# Altium PCB power-v3.4.PcbDoc (part 3 of 3) (continued)
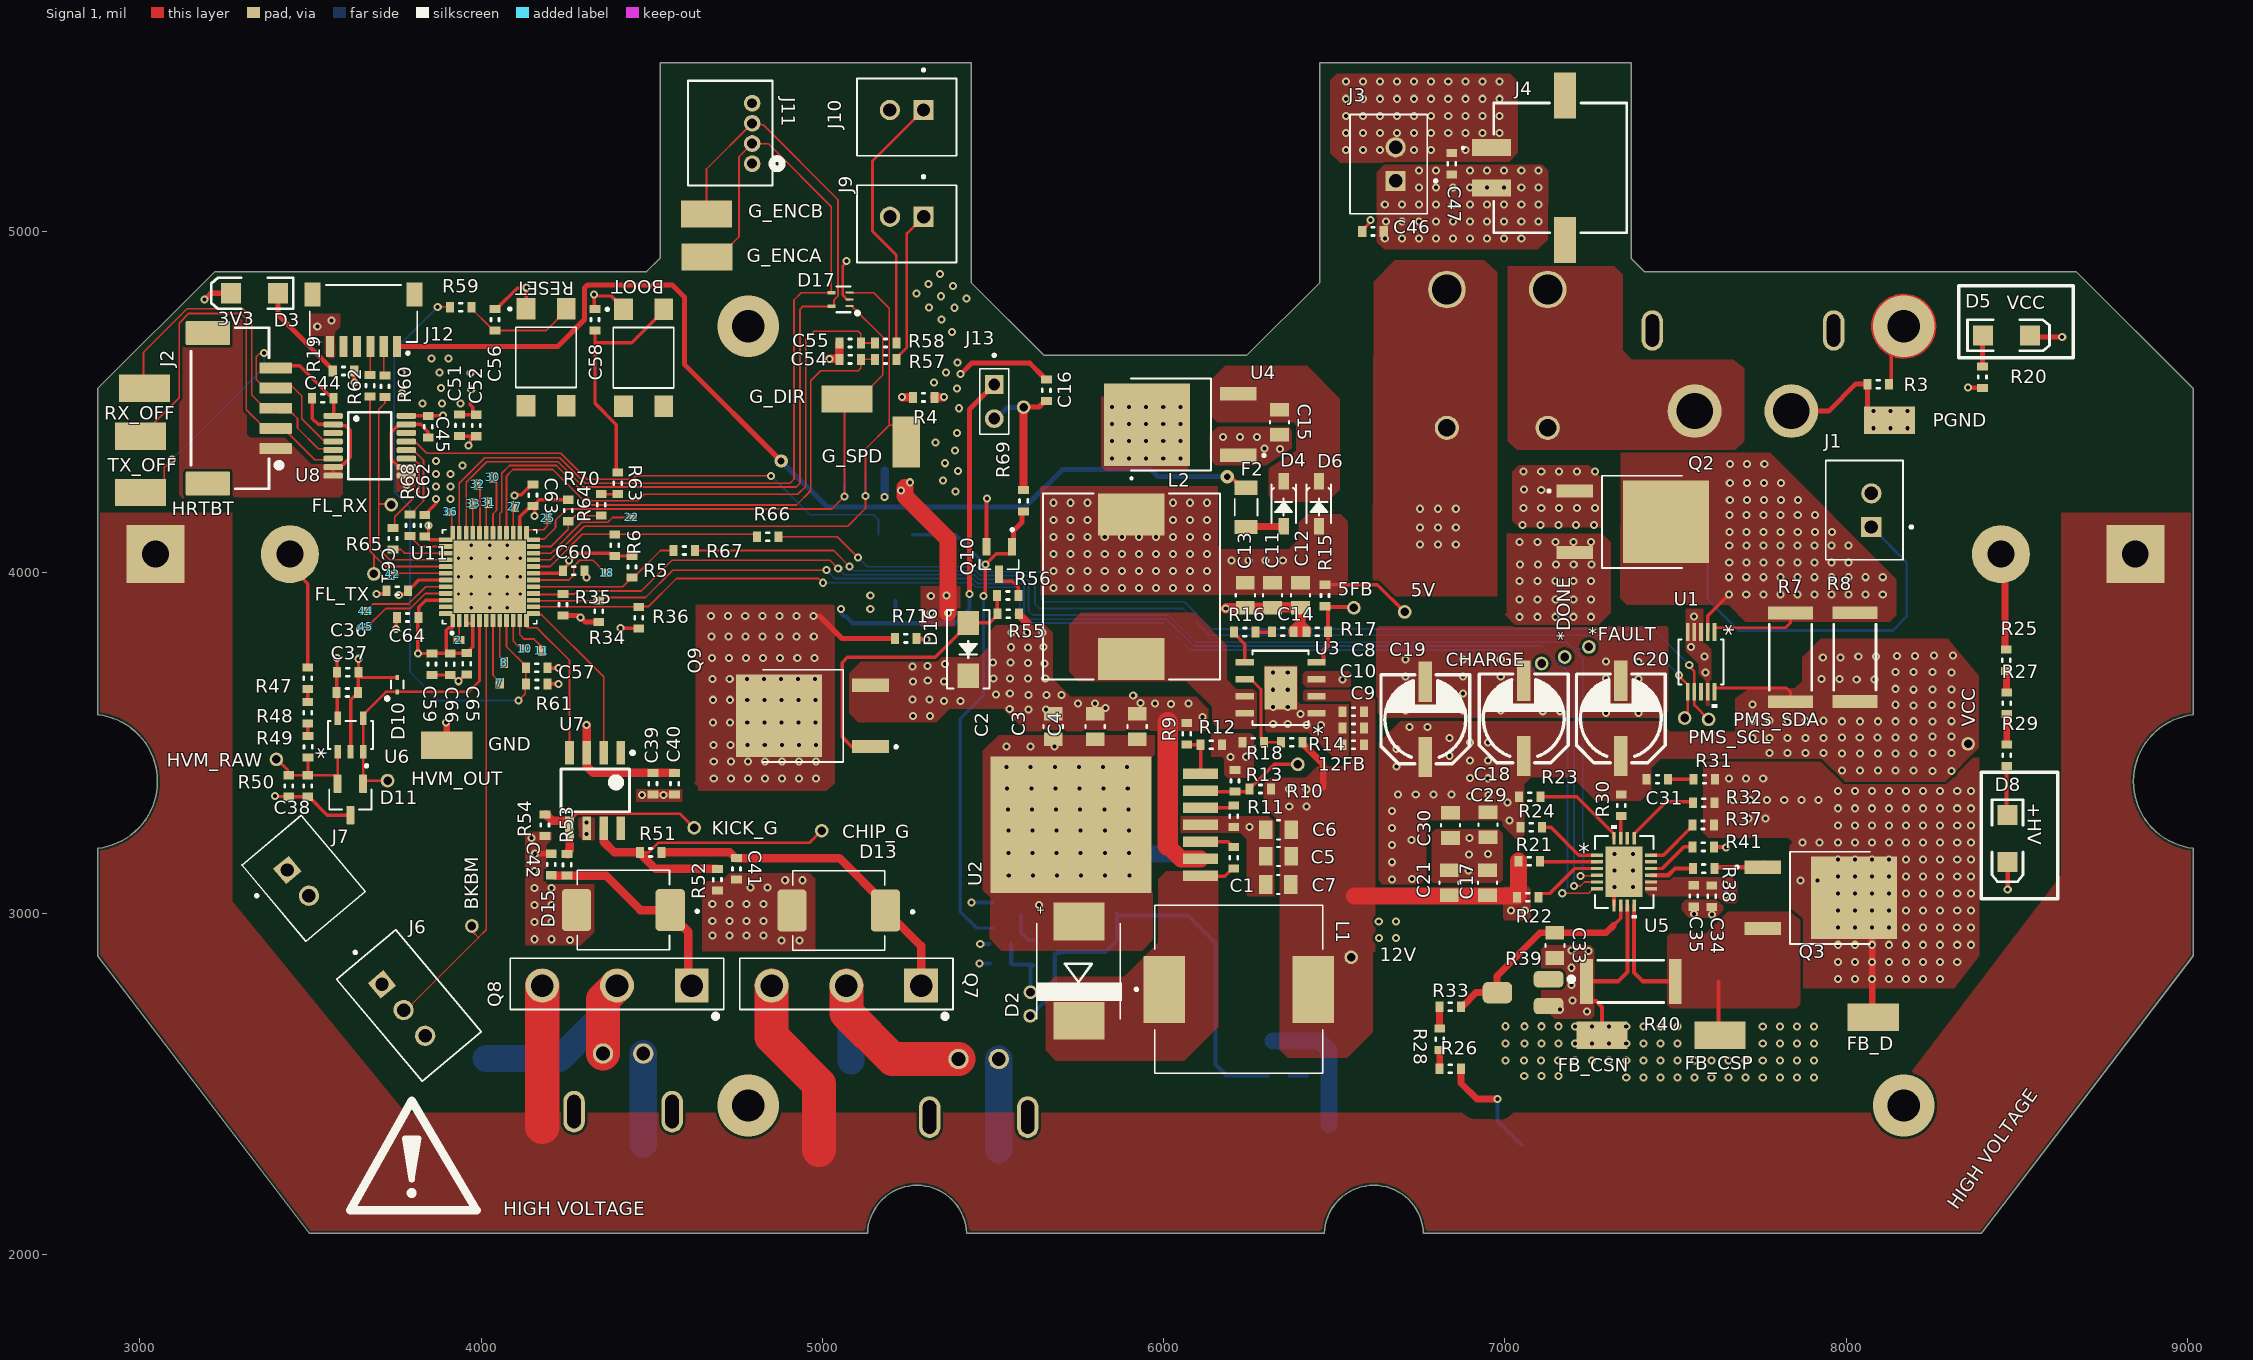
[diagram p0: Signal 1 view]
## Polygon pours and split planes (outlines as drawn) (continued)
VCC_RPP on Signal 1 "VCC_RPP_L01_P226" (solid, pour order 226): 8147.51,3874.42 8128.69,3855.61 7704.57,3855.61 7655.57,3904.61 7356.67,3904.61 7337.63,3923.65 7339.37,4349.05 7340.78,4350.46 7777.44,4350.46 8147.51,3980.39
GND_JETSON on Signal 1 "GND_JETSON_L01_P212" (solid, pour order 212): 3322.97,4394.41 3313.25,4404.13 3313.25,4729.35 3281.8,4760.8 3115.34,4760.8 3115.34,4226.9 3126.08,4216.17 3130.68,4220.77 3585.57,4220.77 3596.31,4231.51 3595.01,4232.81 3595.01,4316.14 3502.44,4316.14 3424.17,4394.41
GND on Signal 1 "GND_L01_P215" (solid, pour order 215): 3497.38,4693.39 3541.51,4693.39 3541.51,4627.65 3572.6,4627.65 3573.15,4628.2 3571.92,4704.19 3587.62,4719.89 3587.62,4757.92 3497.38,4757.92
PGND on Signal 1 "PGND_L01_P-001" (solid, remove dead copper, pour order 193): 8630.35,3112.57 8098.8,2415.92 3777.49,2415.92 3270.35,3036.67 3270.35,4174.99 2880.35,4174.99 2880.35,2062.11 9020.35,2062.11 9020.35,4174.99 8630.35,4174.99
NetF1_1 on Signal 1 "NETF1_1_L01_P273" (solid, pour order 273): 6939.72,4914.53 6678.08,4914.53 6615.5,4851.95 6613.07,3930.09 6977.59,3930.09 6977.59,4373.35 6977.59,4879.57
+VBAT on Signal 1 "+VBAT_L01_P272" (solid, pour order 272): 7668.18,4624.67 7666.68,4623.17 7372.3,4623.17 7343.77,4651.7 7345.27,4653.2 7345.27,4872.48 7320.45,4897.3 7008.39,4897.3 7008.39,4384.81 7034.37,4358.83 7675.69,4358.83 7701.23,4384.36 7701.23,4597.63
12V on Signal 1 "12V_L01_P264" (solid, pour order 264): 5300.51,3959.19 5300.82,3958.88 5404.11,3958.88 5404.11,3842.14 5287.91,3842.14 5287.91,3959.19
PGND on Signal 1 "PGND_L01_P258" (solid, pour order 258): 6623.51,3834.36 6623.51,3593.95 6643.54,3573.92 7459.19,3573.92 7478.27,3593 7478.27,3838.11 7473.56,3842.82 7472.45,3841.71 6631.32,3841.71
VCC on Signal 1 "VCC_L01_P228" (solid, pour order 228): 5319.77,3751.92 5319.77,3560.63 5333.68,3560.63 5374.07,3601.02 5530.11,3601.02 5597.11,3534.01 6011.7,3536.15 6130.88,3536.15 6130.88,3600.63 6130.06,3600.63 6095.46,3635.24 5727.63,3635.24 5674.64,3688.22 5674.64,3823.6 5653.76,3844.48 5508.44,3844.48 5485.9,3821.94 5485.9,3779.91 5457.9,3751.92
12V on Signal 1 "12V_L01_P236" (solid, pour order 236): 6620.13,2888.27 6620.13,3627.25 6591.35,3656.03 6550.26,3656.03 6550.26,3642.21 6550.26,3451.43 6530.6,3431.77 6450.93,3431.77 6416.79,3397.63 6310.73,3397.63 6293.66,3380.55 6293.66,3316.8 6340.81,3269.65 6340.81,2888.27
5V on Signal 1 "5V_L01_P197" (solid, pour order 197): 6366.93,4067.52 6396.05,4096.66 6396.05,4145.37 6421.75,4171.07 6519.47,4171.07 6540.45,4150.1 6540.45,4049.45 6540.45,3943.8 6531.33,3934.68 5640.21,3934.68 5638.07,4252.56 6159.55,4252.56 6159.55,4082.81 6156.77,4080.03 6169.28,4067.52
PGND on Signal 1 "PGND_L01_P268" (solid, pour order 268): 4782.98,3118.25 4780.89,3118.25 4727.28,3118.25 4703.41,3094.38 4662.25,3094.38 4648.43,3080.56 4648.43,2889.32 4978.82,2889.32 4978.82,3105.68 4976.31,3105.68 4963.75,3118.25
PGND on Signal 1 "PGND_L01_P267" (solid, pour order 267): 4207.09,3240.23 4137.63,3240.23 4129.62,3232.21 4130.06,3231.77 4130.06,2907.13 4292.37,2907.13 4331.28,2946.05 4331.28,3086.24 4191.08,3086.24 4191.08,3149.68 4191.08,3200.43 4206.91,3216.25
12V on Signal 1 "12V_L01_P266" (solid, pour order 266): 4454.63,3364.67 4474.97,3364.67 4590.22,3364.67 4590.22,3330.27 4588.07,3328.12 4454.63,3328.12
PGND on Signal 1 "PGND_L01_P257" (solid, pour order 257): 6796.96,3247.9 6981.57,3247.9 6994.13,3235.35 6994.13,3098.76 6985.27,3089.9 6789.83,3089.9 6780.22,3099.51 6786.48,3105.78 6786.48,3237.43
LT_CSP on Signal 1 "LT_CSP_L01_P249" (solid, pour order 249): 7835.48,3005.81 7653.57,3005.81 7588.75,2940.99 7484.2,2940.99 7476.04,2932.84 7476.04,2733.33 7486.94,2722.43 7853.49,2722.43 7866.15,2735.1 7866.15,2981.57
GND on Signal 1 "GND_L01_P211" (solid, pour order 211): 3749.74,4320.51 3753,4320.51 3811.82,4320.51 3811.82,4236.94 3811.14,4236.25 3749.74,4236.25
PGND on Signal 1 "PGND_L01_P250" (solid, pour order 250): 7253.19,2907.52 7253.19,2904.42 7262.6,2895.01 7262.6,2701.08 7253.19,2691.67 7145.89,2691.67 7106.81,2730.74 7106.81,2895.12 7118.65,2906.96
PGND on Signal 1 "PGND_L01_P248" (solid, pour order 248): 7530.11,3041.56 7530.51,3041.16 7623.06,3041.16 7639.62,3024.61 7639.62,3009.82 7617.88,2988.07 7539.54,2988.07 7518.42,3009.2 7518.42,3029.18
12V on Signal 1 "12V_L01_P247" (solid, pour order 247): 7073.04,3074.72 7075.86,3071.9 7075.86,2987.76 7068.78,2980.68 7000.25,2980.68 6994.98,2985.95 6996.05,2987.02 6996.05,3074.94 6999.95,3078.85 7001.69,3078.85 7070,3078.85
12V on Signal 1 "12V_L01_P246" (solid, pour order 246): 7647.4,3031.73 7648.09,3031.04 7676.94,3031.04 7681.93,3036.03 7681.93,3090.36 7665.43,3106.86 7490.03,3106.86 7483.94,3100.77 7413.63,3100.77 7409.32,3096.45 7409.32,3065.74 7424.06,3051 7621.42,3051 7641.09,3031.33
PGND on Signal 1 "PGND_L01_P243" (solid, pour order 243): 6158.18,4427.4 6135,4404.22 6135,4332.41 6153.29,4314.12 6301.55,4314.12 6376.11,4363.28 6376.11,4373.7 6376.11,4414.62 6367.74,4427.4
5V on Signal 1 "5V_L01_P199" (solid, pour order 199): 6624.93,4967.29 6646.96,4946.4 7097.03,4946.4 7125.9,4975.26 7126.76,5176.72 7109.64,5193.84 6647.05,5193.84 6646.56,5194.08 6624.93,5172.44
GND on Signal 1 "GND_L01_P203" (solid, pour order 203): 6506.88,5461.09 6488.82,5442.28 6488.82,5228.37 6517.26,5199.93 7009.48,5199.93 7038.65,5229.1 7038.65,5438.67 7016.23,5461.09
3V3 on Signal 1 "3V3_L01_P214" (solid, pour order 214): 6071.25,4514.27 5817.74,4514.27 5817.74,4309.8 5829.3,4298.24 6071.88,4298.24
NetL2_2 on Signal 1 "NETL2_2_L01_P240" (solid, pour order 240): 6260.73,3658.75 6272.46,3647.02 6273.33,3647.02 6273.33,3546.25 6268.11,3541.04 6160.39,3541.04 6142.15,3559.28 6142.15,3606.63 6067.2,3681.57 5750.58,3681.57 5723.48,3708.67 5723.48,3847.14 5757.81,3881.47 6090.82,3881.47 6185.29,3787 6185.29,3686.21 6213.43,3658.06 6259.93,3658.06
NetC15_1 on Signal 1 "NETC15_1_L01_P242" (solid, pour order 242): 6308.96,4305.44 6308.69,4305.17 6308.69,4224.79 6326.97,4206.5 6480.44,4206.5 6516.69,4242.75 6516.69,4509.43 6419.38,4606.75 6417.5,4604.88 6180.41,4604.88 6136.78,4561.26 6136.78,4460.78 6157.92,4439.64 6381.56,4439.64 6389.43,4431.77 6389.43,4356.44 6388.96,4355.98
PGND on Signal 1 "PGND_L01_P241" (solid, pour order 241): 6418.56,3710.22 6417.11,3710.22 6407.69,3700.8 6408.41,3700.07 6408.41,3674.34 6419.65,3663.11 6543.24,3663.11 6548.31,3668.18 6548.31,3705.15 6543.6,3709.86
PGND on Signal 1 "PGND_L01_P239" (solid, pour order 239): 6488.07,3613.79 6541.51,3613.79 6544.88,3610.42 6544.88,3464.17 6538.16,3457.45 6497.75,3457.45 6497.75,3457.58 6488.07,3467.26
PGND on Signal 1 "PGND_L01_P238" (solid, pour order 238): 6493.99,3613.79 6493.99,3461.34 6424.3,3531.03 6304.03,3531.03 6295.69,3539.36 6295.69,3726.58 6391.03,3726.58 6393.06,3724.55 6393.06,3621.09 6400.36,3613.79
12V on Signal 1 "12V_L01_P237" (solid, pour order 237): 6561.38,3656.03 6415.21,3656.03 6409.39,3650.21 6409.39,3625.36 6412.79,3621.96 6413.31,3622.49 6549.82,3622.49 6561.24,3622.49
12V on Signal 1 "12V_L01_P233" (solid, pour order 233): 6340.81,2888.27 6340.81,2601.41 6364.55,2577.68 6538.17,2577.68 6612.98,2652.49 6612.98,2888.27
NetC1_1 on Signal 1 "NETC1_1_L01_P235" (solid, pour order 235): 6160.06,3129.03 6155.27,3124.24 6007.74,3124.24 5983.78,3100.28 5983.78,2914.1 5884.2,2814.51 5681.06,2814.51 5654.93,2788.38 5654.93,2599.2 5684.8,2569.33 6060.66,2569.33 6160.23,2668.9 6160.23,2933.99
PGND on Signal 1 "PGND_L01_P234" (solid, pour order 234): 6323.87,3051.4 6323.87,3270.04 6307.51,3286.39 6307,3285.88 6042.2,3285.88 6042.2,3240.03 6039.11,3236.94 6225.09,3236.94 6243.51,3218.52 6243.51,3050.17
PGND on Signal 1 "PGND_L01_P232" (solid, pour order 232): 6170.18,3460.03 6178.06,3452.16 6178.28,3452.16 6178.28,3407.12 6187,3398.39 6252.27,3398.39 6263.79,3409.91 6263.79,3521.08 6256.04,3528.83 6139.57,3528.83 6139.57,3460.03
PGND on Signal 1 "PGND_L01_P230" (solid, pour order 230): 5494.34,3060.5 5968.08,3060.5 5968.89,3059.69 5968.89,2923.52 5937.25,2891.87 5524.68,2891.87 5489.99,2926.55
PGND on Signal 1 "PGND_L01_P231" (solid, pour order 231): 5987.33,3479.74 5987.33,3523.09 5516.89,3523.09 5469.02,3475.22 5470.43,3473.81 5470.43,3069.12 5494.42,3045.13 5962.76,3045.13 5962.76,3455.17
VCC on Signal 1 "VCC_L01_P229" (solid, pour order 229): 5340.95,3746.91 5121.6,3746.91 5079.42,3704.74 5079.42,3587.25 5106.04,3560.63 5115.22,3560.63 5334.14,3560.63 5344.15,3570.63
NetD1_2 on Signal 1 "NETD1_2_L01_P221" (solid, pour order 221): 7040.44,4313.69 7022.17,4295.42 7022.17,4151.9 7043.36,4130.71 7044.22,4131.56 7281.63,4131.56 7281.63,4278.46 7246.39,4313.69
NetD1_1 on Signal 1 "NETD1_1_L01_P225" (solid, pour order 225): 7014.96,4116.81 7018.84,4112.93 7286.09,4112.93 7310.95,4088.07 7310.95,3882.2 7274.43,3845.69 7272.88,3847.24 7029.72,3847.24 7000.2,3876.76 7005.64,3882.2 7005.64,4112.93
VCC_MOTOR on Signal 1 "VCC_MOTOR_L01_P204" (solid, pour order 204): 5035.95,3820.1 5035.95,3382.68 5013.27,3360 4635.79,3360 4635.79,3371.34 4624.45,3382.68 4629.31,3387.54 4629.31,3905.33 5035.58,3905.33 5036.37,3904.54
3V3 on Power "3V3_L03_P213" (solid, pour order 213): 6100.39,4697.09 6100.39,4257.78 6093.88,4251.28 5292.67,4251.28 5231.6,4190.2 5231.6,3531.43 5015.55,3315.38 4139.95,3315.38 4107.77,3283.21 4107.77,2498.93 3812.95,2498.93 3354.07,3053.85 3354.07,3603.21 3631.35,3880.49 3631.35,4175.04 3631.31,4174.99 2884.35,4174.99 2884.35,4535.54 3222.38,4873.56 3223.45,4873.56 3223.45,5577.21 3386.62,5740.38 6023.47,5740.38
VCC on Power "VCC_L03_P223" (solid, pour order 223): 6123.99,4651.9 6127.01,4648.87 6127.01,4236.24 6113.47,4222.69 6098.86,4237.3 5302.28,4237.3 5249.49,4184.51 5255.58,4178.43 5255.58,3528.07 5026.01,3298.5 4150.54,3298.5 4128.17,3276.14 4126.14,3276.14 4126.14,2498.32 4127.27,2497.19 4128.45,2498.37 8112.23,2498.37 8185.16,2590.72 8598.31,3114.26 8595.96,3116.6 8595.96,3610.38 8267.02,3939.32 8267.02,4203.8 9009.55,4203.8 9009.66,4203.69 9126.26,4320.29 9126.26,4916.44 8185.16,5857.54 6332.54,5857.54
VCC_RPP on Power "VCC_RPP_L03_P220" (solid, pour order 220): 8147.51,3874.42 8128.69,3855.61 7704.57,3855.61 7655.57,3904.61 7356.67,3904.61 7337.63,3923.65 7339.37,4349.05 7340.78,4350.46 7785.29,4350.46 8147.51,3988.24
+HV on Power "+HV_L03_P216" (solid, pour order 216): 2876.33,4151.38 3516.88,4151.38 3567.14,4101.11 3567.14,3923.09 3269.74,3625.68 3270.35,3625.07 3270.35,3039.03 3777.43,2415.92 8109.88,2415.92 8630.35,3098.05 8630.35,3649.1 8334.64,3944.81 8334.64,4152.11 9014.63,4152.11 9014.63,3586.18 9014.63,2680.82 8396.63,2062.82 3497.38,2062.82 2876.33,2683.88
NetF1_1 on Power "NETF1_1_L03_P219" (solid, pour order 219): 6939.72,4914.53 6819.76,4914.53 6615.5,4710.27 6615.5,3916.02 6977.59,3916.02 6977.59,4879.57
+VBAT on Power "+VBAT_L03_P218" (solid, pour order 218): 7668.18,4624.67 7666.68,4623.17 7372.3,4623.17 7343.77,4651.7 7345.27,4653.2 7345.27,4872.48 7285.19,4932.56 7029.86,4932.56 7008.39,4911.09 7008.39,4384.81 7034.37,4358.83 7675.69,4358.83 7701.23,4384.36 7701.23,4597.63
12V on Power "12V_L03_P224" (solid, pour order 224): 5300.51,3959.19 5300.82,3958.88 5404.11,3958.88 5404.11,3842.14 5287.91,3842.14 5287.91,3959.19
5V on Power "5V_L03_P198" (solid, pour order 198): 6624.93,4982.79 6645.32,4962.39 7066.03,4962.39 7112.13,5008.49 7112.81,5164.95 7083.91,5193.84 6646.33,5193.84 6624.93,5172.44
5V on Power "5V_L03_P196" (solid, pour order 196): 5638.25,4226 5641.03,4223.22 6159.55,4223.22 6159.55,4082.81 6156.77,4080.03 6169.28,4067.52 6522.37,4067.52 6540.45,4049.45 6540.45,3943.8 6531.33,3934.68 5640.21,3934.68
5V on Power "5V_L03_P208" (solid, pour order 208): 3976.35,4643.61 3980.62,4643.61 3981.81,4477.02 3759.68,4477.02 3756.14,4480.56 3756.14,4643.61
PGND on Signal 2 "PGND_L04_P255" (solid, pour order 255): 7945.62,2498.58 7934.72,2509.48 6950.94,2509.48 6950.94,3314.46 7949.89,3314.46 7950.39,3314.96
GND on Signal 2 "GND_L04_P263" (solid, pour order 263): 5151.01,3867.74 5151.49,3868.22 5183,3868.22 5183,3951.29 5178.22,3956.06 5037.86,3956.06 5032.61,3950.81 5032.61,3919.78 5039.77,3912.62 5086.56,3912.62 5090.85,3908.32 5090.85,3867.74
VCC_RPP on Signal 2 "VCC_RPP_L04_P271" (solid, pour order 271): 8147.51,3874.42 8128.69,3855.61 7704.57,3855.61 7655.57,3904.61 7615.41,3904.61 7617.24,4350.46 7777.44,4350.46 8147.51,3980.39
+VBAT on Signal 2 "+VBAT_L04_P244" (solid, pour order 244): 7668.18,4624.67 7666.68,4623.17 7372.3,4623.17 7343.77,4651.7 7345.27,4653.2 7345.27,4872.48 7285.19,4932.56 7029.86,4932.56 7008.39,4911.09 7008.39,4384.81 7034.37,4358.83 7675.69,4358.83 7701.23,4384.36 7701.23,4597.63
VCC_MOTOR on Signal 2 "VCC_MOTOR_L04_P205" (solid, pour order 205): 4628.51,3690.67 4440,3879.18 4006.92,4275.24 4006.92,4442.93 4021.67,4457.69 4482.43,4457.69 5035.57,3904.54 5035.15,3820.9 5035.15,3383.48 5012.47,3360.8 4634.99,3360.8 4634.99,3372.14 4623.65,3383.48 4628.51,3388.34
GND on Signal 2 "GND_L04_P210" (solid, pour order 210): 3968.94,4175.7 3977.65,4184.41 3977.65,4187.62 3977.65,4449.27 3751.69,4449.27 3752.86,4247.67 3824.83,4175.7
+HV on Signal 2 "+HV_L04_P254" (solid, pour order 254): 2876.33,4151.38 3516.88,4151.38 3567.14,4101.11 3567.14,3923.09 3269.74,3625.68 3270.35,3625.07 3270.35,3039.03 3777.43,2415.92 8109.88,2415.92 8630.35,3098.05 8630.35,3649.1 8334.64,3944.81 8334.64,4152.11 9014.63,4152.11 9014.63,3586.18 9014.63,2680.82 8396.63,2062.82 3497.38,2062.82 2876.33,2683.88
PGND on Signal 2 "PGND_L04_P206" (solid, pour order 206): 5392.31,4641.44 5422.92,4610.83 5422.92,4179.61 5274.99,4179.61 5274.99,4360.6 4606.96,4360.6 4488.18,4479.37 4486.17,4477.36 3997.7,4477.36 3997.7,4825.12 4031.87,4859.3 5173.3,4859.3 5378.09,4654.51
NetD7_IN on Signal 2 "NETD7_IN_L04_P261" (solid, pour order 261): 6627.02,2830.97 6862.29,2830.97 6862.29,2390.51 6627.02,2390.51
NetD1_1 on Signal 2 "NETD1_1_L04_P222" (solid, pour order 222): 7007.55,4115.49 7517.78,4115.49 7537.13,4096.13 7606.36,4096.13 7606.36,3987.12 7466.42,3847.18 7003.19,3847.18
NetD1_2 on Signal 2 "NETD1_2_L04_P217" (solid, pour order 217): 7589.08,4216.85 7589.08,4217.61 7589.08,4315.49 7042.24,4315.49 7022.17,4295.42 7022.17,4152.69 7043.36,4130.71 7053.07,4130.71 7480.74,4130.71 7480.74,4152.69 7541.93,4213.87 7587.37,4213.87
GND on Signal 2 "GND_L04_P200" (solid, pour order 200): 5643.11,4617.32 6250.33,4617.32 6475.45,4842.44 6475.45,5450.99 6495.76,5471.3 6596.84,5471.3 6607.39,5460.74 6607.39,4723.01 6384.7,4500.32 6320.88,4500.32 5546.89,4500.32 5494.68,4552.53 5392.41,4655.69 5392.41,4656.84 5249.64,4799.71 5249.64,4825.5 5331.2,4907.05 5355.18,4905.25
NetQ4_D on Signal 2 "NETQ4_D_L04_P262" (solid, pour order 262): 6171.29,3210.1 6173.5,3212.31 6432.24,3212.31 6439.98,3204.57 6438.87,3203.46 6438.87,2784.4 6415.65,2761.18 6191.19,2761.18 6166.87,2785.51
NetFB_D_1 on Signal 2 "NETFB_D_1_L04_P253" (solid, pour order 253): 7694.25,3315.99 7691.04,3319.2 7584.19,3319.2 7580.94,3322.45 7580.94,3446.32 7928.19,3446.32 7995.82,3377.28 8367.34,3377.28 8391.32,3353.3 8391.32,3309.86 8391.32,2876.51 8308.8,2773.08 8000,2773.08 7953.55,2819.53 7953.55,2969.8 7915.59,3007.76 7751.76,3007.76 7694.25,3065.27
12V on Signal 2 "12V_L04_P265" (solid, pour order 265): 5220.45,4360.6 5264.55,4360.6 5269.62,4355.52 5269.62,4228.23 5259.41,4218.01 5223.97,4218.01 5213.67,4228.31 5214.44,4229.07 5214.44,4354.93
VCC on Signal 2 "VCC_L04_P260" (solid, pour order 260): 6844.9,3564.41 6600.89,3564.41 6586.61,3550.14 6586.61,3429.35 6586.61,3003.83 6591.21,2999.23 6861.71,2999.23 6870.91,3008.43 6867.69,3011.65 6867.69,3539.37
PGND on Signal 2 "PGND_L04_P259" (solid, pour order 259): 6465.18,3431.35 6450.93,3415.86 6450.93,2909.11 6695.38,2909.11 6695.38,2984.54 6683.49,2996.43 6581.99,2996.43 6576.71,3004.22 6576.71,3012.35 6576.71,3415.36 6576.36,3415.36 6561.85,3429.87
NetF1_1 on Signal 2 "NETF1_1_L04_P245" (solid, pour order 245): 6939.72,4914.53 6678.08,4914.53 6615.5,4851.95 6615.5,3915.73 6973.73,3915.73 6975.02,3914.44 6977.59,3917.02 6977.59,4373.35 6977.59,4879.57
GND on Signal 2 "GND_L04_P202" (solid, pour order 202): 6532.76,5461.09 6488.82,5415.33 6488.82,5228.37 6517.26,5199.93 7009.48,5199.93 7038.65,5229.1 7038.65,5406.55 6984.11,5461.09
5V on Signal 2 "5V_L04_P209" (solid, pour order 209): 3976.35,4643.61 3980.62,4643.61 3981.81,4477.02 3759.68,4477.02 3756.14,4480.56 3756.14,4643.61

## Other copper
Signal 1:
  pour cut-out: 4269.28,2656.33 4269.28,2498.64 4560.46,2498.64 4560.46,2656.33
  pour cut-out: 5316.85,2656.61 5316.85,2498.92 5608.04,2498.92 5608.04,2656.61
Ground:
  pour cut-out: 4087.56,2895.69 5360.97,2895.69 5392.49,2864.17 5392.49,2477.97 4085.64,2477.97 4084.46,2476.79
  pour cut-out: 8597.9,3112.07 8595.56,3114.41 8595.56,3610.65 8629.17,3610.65 8628.98,3111.81 8097.62,2415 7501.82,2415 7501.82,2498.93 8111.83,2496.74
  pour cut-out: 6140.7,2496.86 6140.7,2416.04 3777.34,2416.04 3269.86,3036.96 3269.86,3617.83 3336.35,3617.83 3336.35,3048.94 3792.89,2496.86
  pour cut-out: 4269.28,2656.33 4269.28,2498.64 4560.46,2498.64 4560.46,2656.33
  pour cut-out: 5316.85,2656.61 5316.85,2498.92 5608.04,2498.92 5608.04,2656.61
  pour cut-out: 3270.35,4174.99 3270.35,4203.8 3631.35,4203.8 3631.35,3914.76 3336.35,3615.04 3270.35,3613.92 3270.35,3615.04
  pour cut-out: 8628.13,4203.8 8628.24,4203.69 9034.69,4203.69 9034.69,4173.13 9032.8,4175.02 8628.11,4175.02
  pour cut-out: 8629.57,4203.8 8267.02,4203.8 8267.02,3938.83 8598.18,3607.67 8629.57,3607.2
  pour cut-out: 3270.35,4203.8 3270.24,4203.69 2863.79,4203.69 2863.79,4173.13 2865.68,4175.02 3270.37,4175.02
Power:
  pour cut-out: 8019.76,2437.79 ccw(c8169.12,2437.79) 8169.12,2288.43 ccw(c8169.12,2437.79) 8318.48,2437.79 ccw(c8169.12,2437.79) 8169.12,2587.15 ccw(c8169.12,2437.79)
  pour cut-out: 4633.93,2437.79 ccw(c4783.29,2437.79) 4783.29,2288.43 ccw(c4783.29,2437.79) 4932.65,2437.79 ccw(c4783.29,2437.79) 4783.29,2587.15 ccw(c4783.29,2437.79)
  pour cut-out: 8575.34,3116.97 8575.34,3136.66 8575.34,3613.92 8629.58,3613.92 8629.38,3113.44 8098.02,2416.63 3768.15,2417.55 3270.35,3026.62 3270.35,3613.92 3306.49,3613.92 3306.49,3040.2 3754.56,2498.37 8085.75,2498.37
  pour cut-out: 4117.03,2895.76 5398.4,2895.76 5398.4,2474.8 5394.74,2478.46 4119.59,2478.46
  pour cut-out: 4269.28,2656.33 4269.28,2498.64 4560.46,2498.64 4560.46,2656.33
  pour cut-out: 5316.85,2673.48 5316.85,2498.92 5608.04,2498.92 5608.04,2673.48
  pour cut-out: 8992.69,3606.22 8992.69,3656.65 8996.99,3660.96 9058.73,3660.96 9058.73,3629.4 9035.55,3606.22 9030.65,3606.22 9053.74,1943.71 3543.89,1872.61 2838.47,2578.02 2838.47,4133.89 2880.81,4176.23 2902.62,4176.23 2902.62,3644.48 3070.09,3477.01 3070.09,3273.44 2905.41,3150.91 2905.41,2884.83 3429.47,2198.44 3512.06,2088.52 5076.72,2088.52 5215.26,2227.07 5345.08,2227.07 5465.5,2091.31 6422.73,2091.31 6556.61,2225.19 6675,2225.19 6808.19,2092 8388.52,2092 8463.6,2198.44 8994.05,2889.28 8994.05,3155.76 8950.16,3155.76 8823.13,3282.79 8823.13,3483.85 8945.51,3606.22
  pour cut-out: 8627.69,3614.25 8627.69,3626.63 8330.9,3923.42 8330.9,4101.44 8381.17,4151.71 8571.76,4151.71 8627.56,4081.32 8627.56,4204.14 8266.69,4204.14 8266.69,3923.74 8575.71,3614.25
  pour cut-out: 8488.29,4144.46 8986.22,3646.53 9036.95,3646.53 9036.95,4171.46 8489.05,4171.46
  pour cut-out: 3404.76,4143.63 2912.44,3651.31 2899.24,3651.31 2899.24,4177.67 2900.21,4178.64 2902.62,4176.23 3403.85,4176.23
  pour cut-out: 3270.35,3613.92 3270.35,3626.29 3567.14,3923.09 3567.14,4101.11 3516.88,4151.38 3326.28,4151.38 3270.48,4080.98 3270.48,4203.8 3631.35,4203.8 3631.35,3938.83 3630.86,3938.83 3306.44,3613.92
  pour cut-out: 8627.8,4204.02 8627.91,4203.91 9034.36,4203.91 9034.36,4173.35 9032.47,4175.24 8627.78,4175.24
  pour cut-out: 3270.46,4203.91 3270.35,4203.8 2863.9,4203.8 2863.9,4173.24 2865.79,4175.13 3270.48,4175.13
Signal 2:
  pour cut-out: 8019.76,2437.79 ccw(c8169.12,2437.79) 8169.12,2288.43 ccw(c8169.12,2437.79) 8318.48,2437.79 ccw(c8169.12,2437.79) 8169.12,2587.15 ccw(c8169.12,2437.79)
  pour cut-out: 4633.93,2437.79 ccw(c4783.29,2437.79) 4783.29,2288.43 ccw(c4783.29,2437.79) 4932.65,2437.79 ccw(c4783.29,2437.79) 4783.29,2587.15 ccw(c4783.29,2437.79)
  pour cut-out: 8085.83,2498.81 8083.43,2501.21 6864.41,2501.21 6862.29,2499.1 6862.29,2470.42 6926.52,2470.42 6926.72,2470.22 6926.72,2442.2 7175.4,2442.2 7175.74,2441.86 7175.42,2441.54 7175.42,2415.92 8100.4,2415.92 8139.41,2454.92 8630.35,3098.05 8630.35,3650.56 8335.1,3945.81 8335.1,4105.64 8381.17,4151.71 8571.76,4151.71 8627.56,4081.32 8627.56,4204.14 8266.69,4204.14 8266.69,3923.99 8576.43,3614.25 8574.63,3116.85 8445.16,2955.5
  pour cut-out: 8488.29,4144.46 8986.22,3646.53 9022.6,3646.53 9022.6,4204.83 8489.98,4204.83
  pour cut-out: 3804.41,2498.86 6627.02,2498.86 6627.02,2478.62 6627.02,2470.42 6620.42,2470.42 6620.42,2415.92 3761.61,2415.92 3270.35,3039.61 3270.35,3625.78 3565.16,3920.59 3565.16,4101.11 3515.88,4150.38 3406.82,4149.7 2908.61,3651.31 2899.24,3651.31 2899.24,4177.67 2900.21,4178.64 2902.62,4176.23 3403.85,4176.23 3405.08,4174.99 3631.31,4174.99 3631.31,3915.92 3341.17,3625.78 3335.31,3625.78 3335.31,3039.61
  pour cut-out: 9021.23,4202.41 8992.69,4173.87 8992.69,3606.22 8945.51,3606.22 8823.13,3483.85 8823.13,3282.79 8950.16,3155.76 8994.05,3155.76 8994.05,2889.28 8463.6,2198.44 8388.52,2092 6808.19,2092 6675,2225.19 6556.61,2225.19 6422.73,2091.31 5465.5,2091.31 5345.08,2227.07 5215.26,2227.07 5076.72,2088.52 3512.06,2088.52 3429.47,2198.44 2905.41,2884.83 2905.41,3150.91 3070.09,3273.44 3070.09,3477.01 2902.62,3644.48 2902.62,4176.23 2880.81,4176.23 2838.47,4133.89 2838.47,2578.02 3543.89,1872.61 9044.99,1943.6
  pour cut-out: 4269.28,2656.33 4269.28,2498.64 4560.46,2498.64 4560.46,2656.33
  pour cut-out: 5316.85,2656.61 5316.85,2498.92 5608.04,2498.92 5608.04,2656.61
  pour cut-out: 6926.52,2470.42 6857.97,2470.42 6857.97,2390.51 6704.19,2390.51 6704.19,2470.42 6620.42,2470.42 6620.42,2340.51 6926.52,2340.51

## Silkscreen, mask and mechanical layers (free items; w line width, h text height)
Top Overlay:
  circle w20: c3796.77,2181.29 r4.72
  region: 3776.77,2341.29 3816.77,2341.29 3796.77,2221.29
  lines w10: 8330.5,4629.41 8665.54,4629.41 8665.54,4840.32 8330.5,4840.32 8330.5,4629.41 ; 8396.03,3043.41 8620.37,3043.41 8620.37,3414.87 8396.03,3414.87 8396.03,3043.41
  lines w18: 3776.77,2341.29 3816.77,2341.29 3796.77,2221.29 3776.77,2341.29
  lines w25: 3616.77,2131.29 3986.77,2131.29 3796.77,2451.29 3616.77,2131.29
  text "VCC" at 8471.06,4771.77 h39.37
  text "+HV" at 8532.95,3324.31 h39.37 r270
  text "HIGH VOLTAGE" at 8326.03,2129.07 h39.37 r55
  text "HIGH VOLTAGE" at 4065.14,2116.23 h39.37
Bottom Overlay:
  circle w20: c3710.18,2178.97 r4.72
  region: 3690.18,2338.97 3730.18,2338.97 3710.18,2218.97
  lines w10: 5397.75,3624.39 6430.14,3624.39 ; 5397.75,3624.39 5397.75,4010.46 6430.14,4010.46 6430.14,3624.39 ; 5397.75,3624.39 6430.14,3624.39 ; 5397.75,3624.39 5397.75,3333.73 6430.14,3333.73 6430.14,3624.39
  lines w18: 3690.18,2338.97 3730.18,2338.97 3710.18,2218.97 3690.18,2338.97
  lines w25: 3530.18,2128.97 3900.18,2128.97 3710.18,2448.97 3530.18,2128.97
  text "Power-V3.4" at 6409.06,3927.57 h39.37
  text "Priydev Singh / Willem Van Dam / Dannon Sturn" at 6412.4,3653.14 h39.37
  text "DANGER - HIGH VOLTAGE PRESENT" at 6411.83,3472.52 h39.37
  text "HANDLE WITH CAUTION" at 6404.63,3363.48 h39.37
  text "HIGH VOLTAGE" at 8881.56,2925.94 h39.37 r55
  text "HIGH VOLTAGE" at 3496.75,2327.82 h39.37 r305
Mechanical 1:
  circle w0.5: c4783.29,4721.25 r70.87
  circle w0.25: c5947.01,4635.56 r0.12
  circle w0.5: c4783.29,2437.79 r70.87
  circle w0.5: c8169.12,2437.79 r70.87
  circle w0.5: c8169.12,4721.25 r70.87
  lines w0.5: 3220.13,4881.59 2876.33,4538.87 2876.33,3583.12 cw(c2854.83,3387.3) 2876.33,3191.47 2876.33,2876.51 3497.38,2062.82 5132.51,2062.82 ; 4485.05,4881.59 4525,4921.54 4525,5493.66 5435.78,5493.66 5435.78,4849.61 5650.51,4635.56 6243.51,4635.56 6458.23,4849.61 6458.23,5493.66 7370,5493.66 7370,4920.55 7408.96,4881.59 8673.88,4881.59 ; 5422.92,2062.82 6471.09,2062.82 ; 8396.63,2062.82 9017.69,2876.51 9017.69,3191.47 cw(c9039.18,3387.3) 9017.69,3583.12 9017.69,4538.87 ; 8673.93,4881.64 9017.73,4538.92
  lines w7.87: 2876.33,2876.51 3497.38,2062.82 5132.51,2062.82 cw(c5277.72,2058.62) 5422.92,2062.82 6471.09,2062.82 cw(c6616.3,2058.62) 6761.51,2062.82 8396.63,2062.82 9017.69,2876.51 9017.69,3191.47 cw(c9039.18,3387.3) 9017.69,3583.12 9017.69,4538.87 8673.88,4881.59 7408.96,4881.59 7370,4920.55 7370,5493.66 6458.23,5493.66 6458.23,4849.61 6243.51,4635.56 5650.51,4635.56 5435.78,4849.61 5435.78,5493.66 4525,5493.66 4525,4921.54 4485.05,4881.59 3220.13,4881.59 2876.33,4538.87 2876.33,3583.12 cw(c2854.83,3387.3) 2876.33,3191.47 2876.33,2876.51

## Dimensions
8169.12,2437.79 to 4783.29,2437.79 on Mechanical 16
8169.12,4721.25 to 8169.12,2437.79 on Mechanical 16
4783.29,2437.79 to 4783.29,4721.25 on Mechanical 16
8169.12,4721.25 to 4783.29,4721.25 on Mechanical 16
8169.12,4721.25 to 8650.79,4053.54 on Mechanical 16
8169.12,4721.25 to 8650.79,4053.54 on Mechanical 16
4783.29,4721.25 to 3242.91,4053.54 on Mechanical 16
4783.29,4721.25 to 3242.91,4053.54 on Mechanical 16

## Text inside footprints (layer, text, board x,y; h text height)
D2: Top Overlay "+" at 5649.94,2995.14 h24.95 r90
D10: Mechanical 13 "*" at 3779.72,3651.95 h50 r90
D17: Mechanical 13 "*" at 5080.05,4807.16 h50 r180
U1: Top Overlay "*" at 7620.64,3847.28 h50 r270; Mechanical 13 "*" at 7583.24,3796.03 h50 r270
U3: Top Overlay "*" at 6470.77,3572.88 h50 r180; Mechanical 13 "*" at 6417.77,3611.38 h50 r180
U5: Top Overlay "*" at 7215.2,3156.38 h50; Mechanical 13 "*" at 7275.89,3156.38 h50
U6: Top Overlay "*" at 3567.21,3452.05 h50 r90; Mechanical 13 "*" at 3605.21,3485.55 h50 r90